# Allegro board FMDEMOD-Long.brd
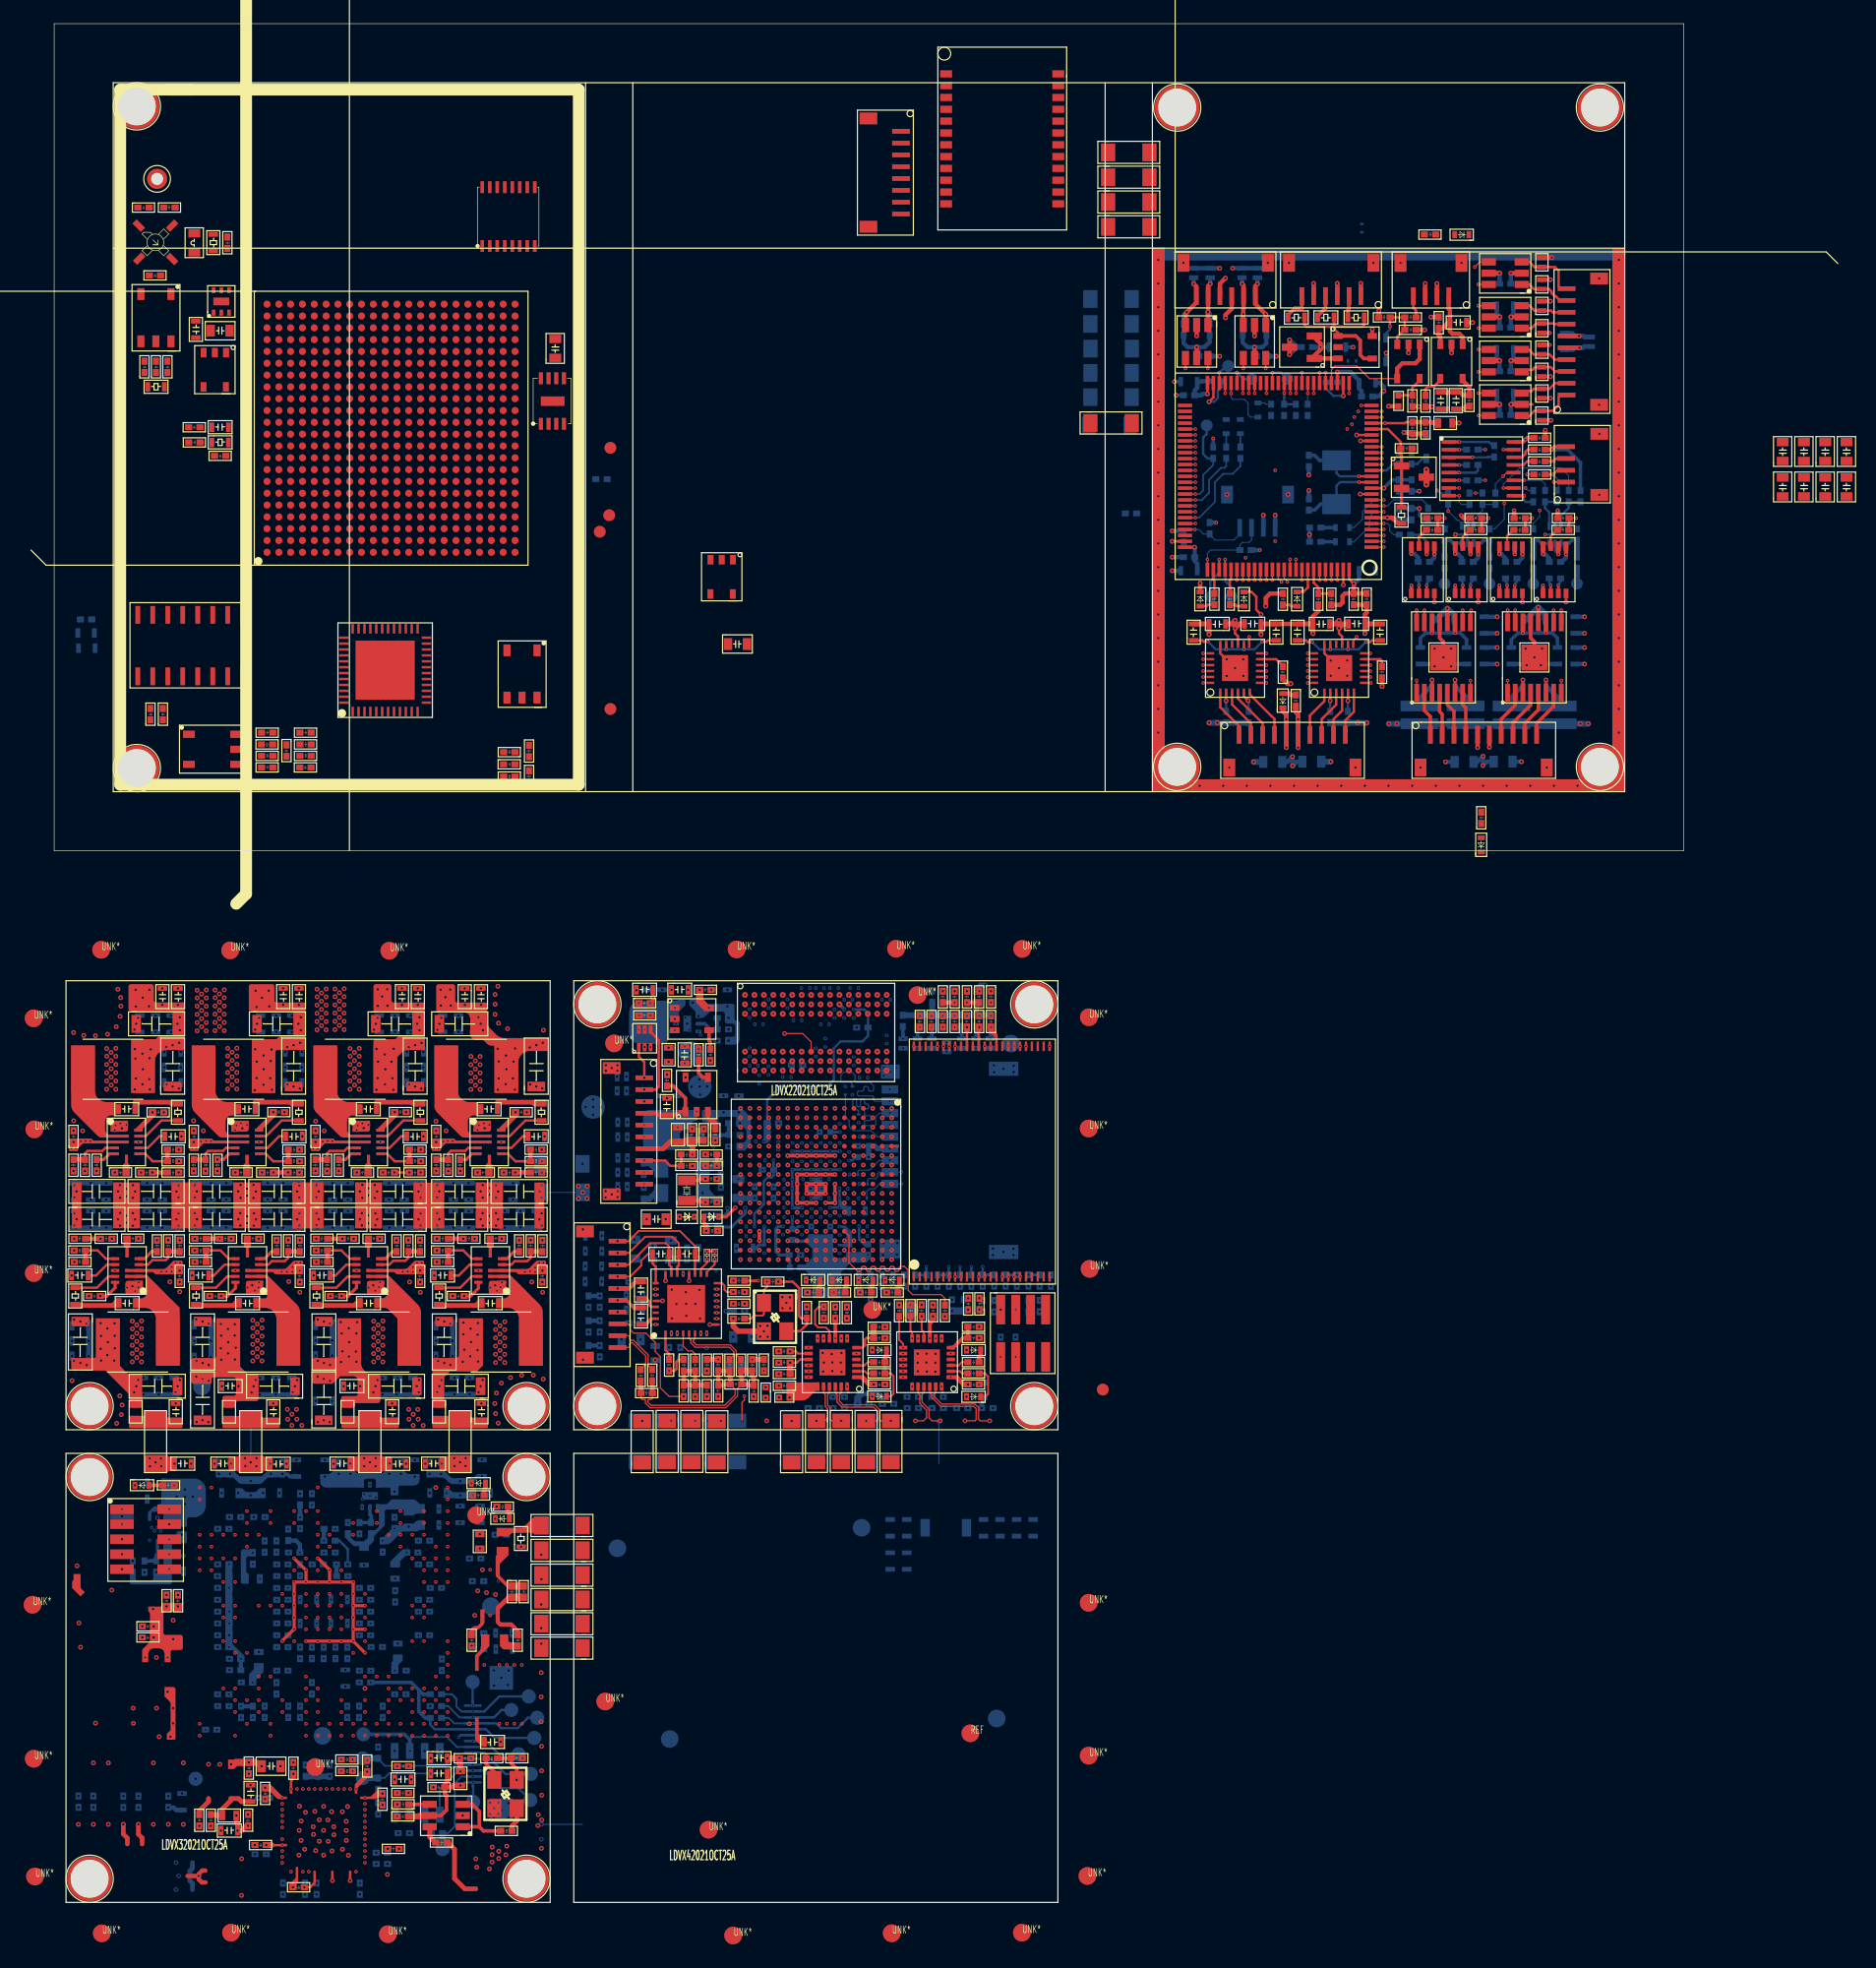
[diagram p0: board, top side]
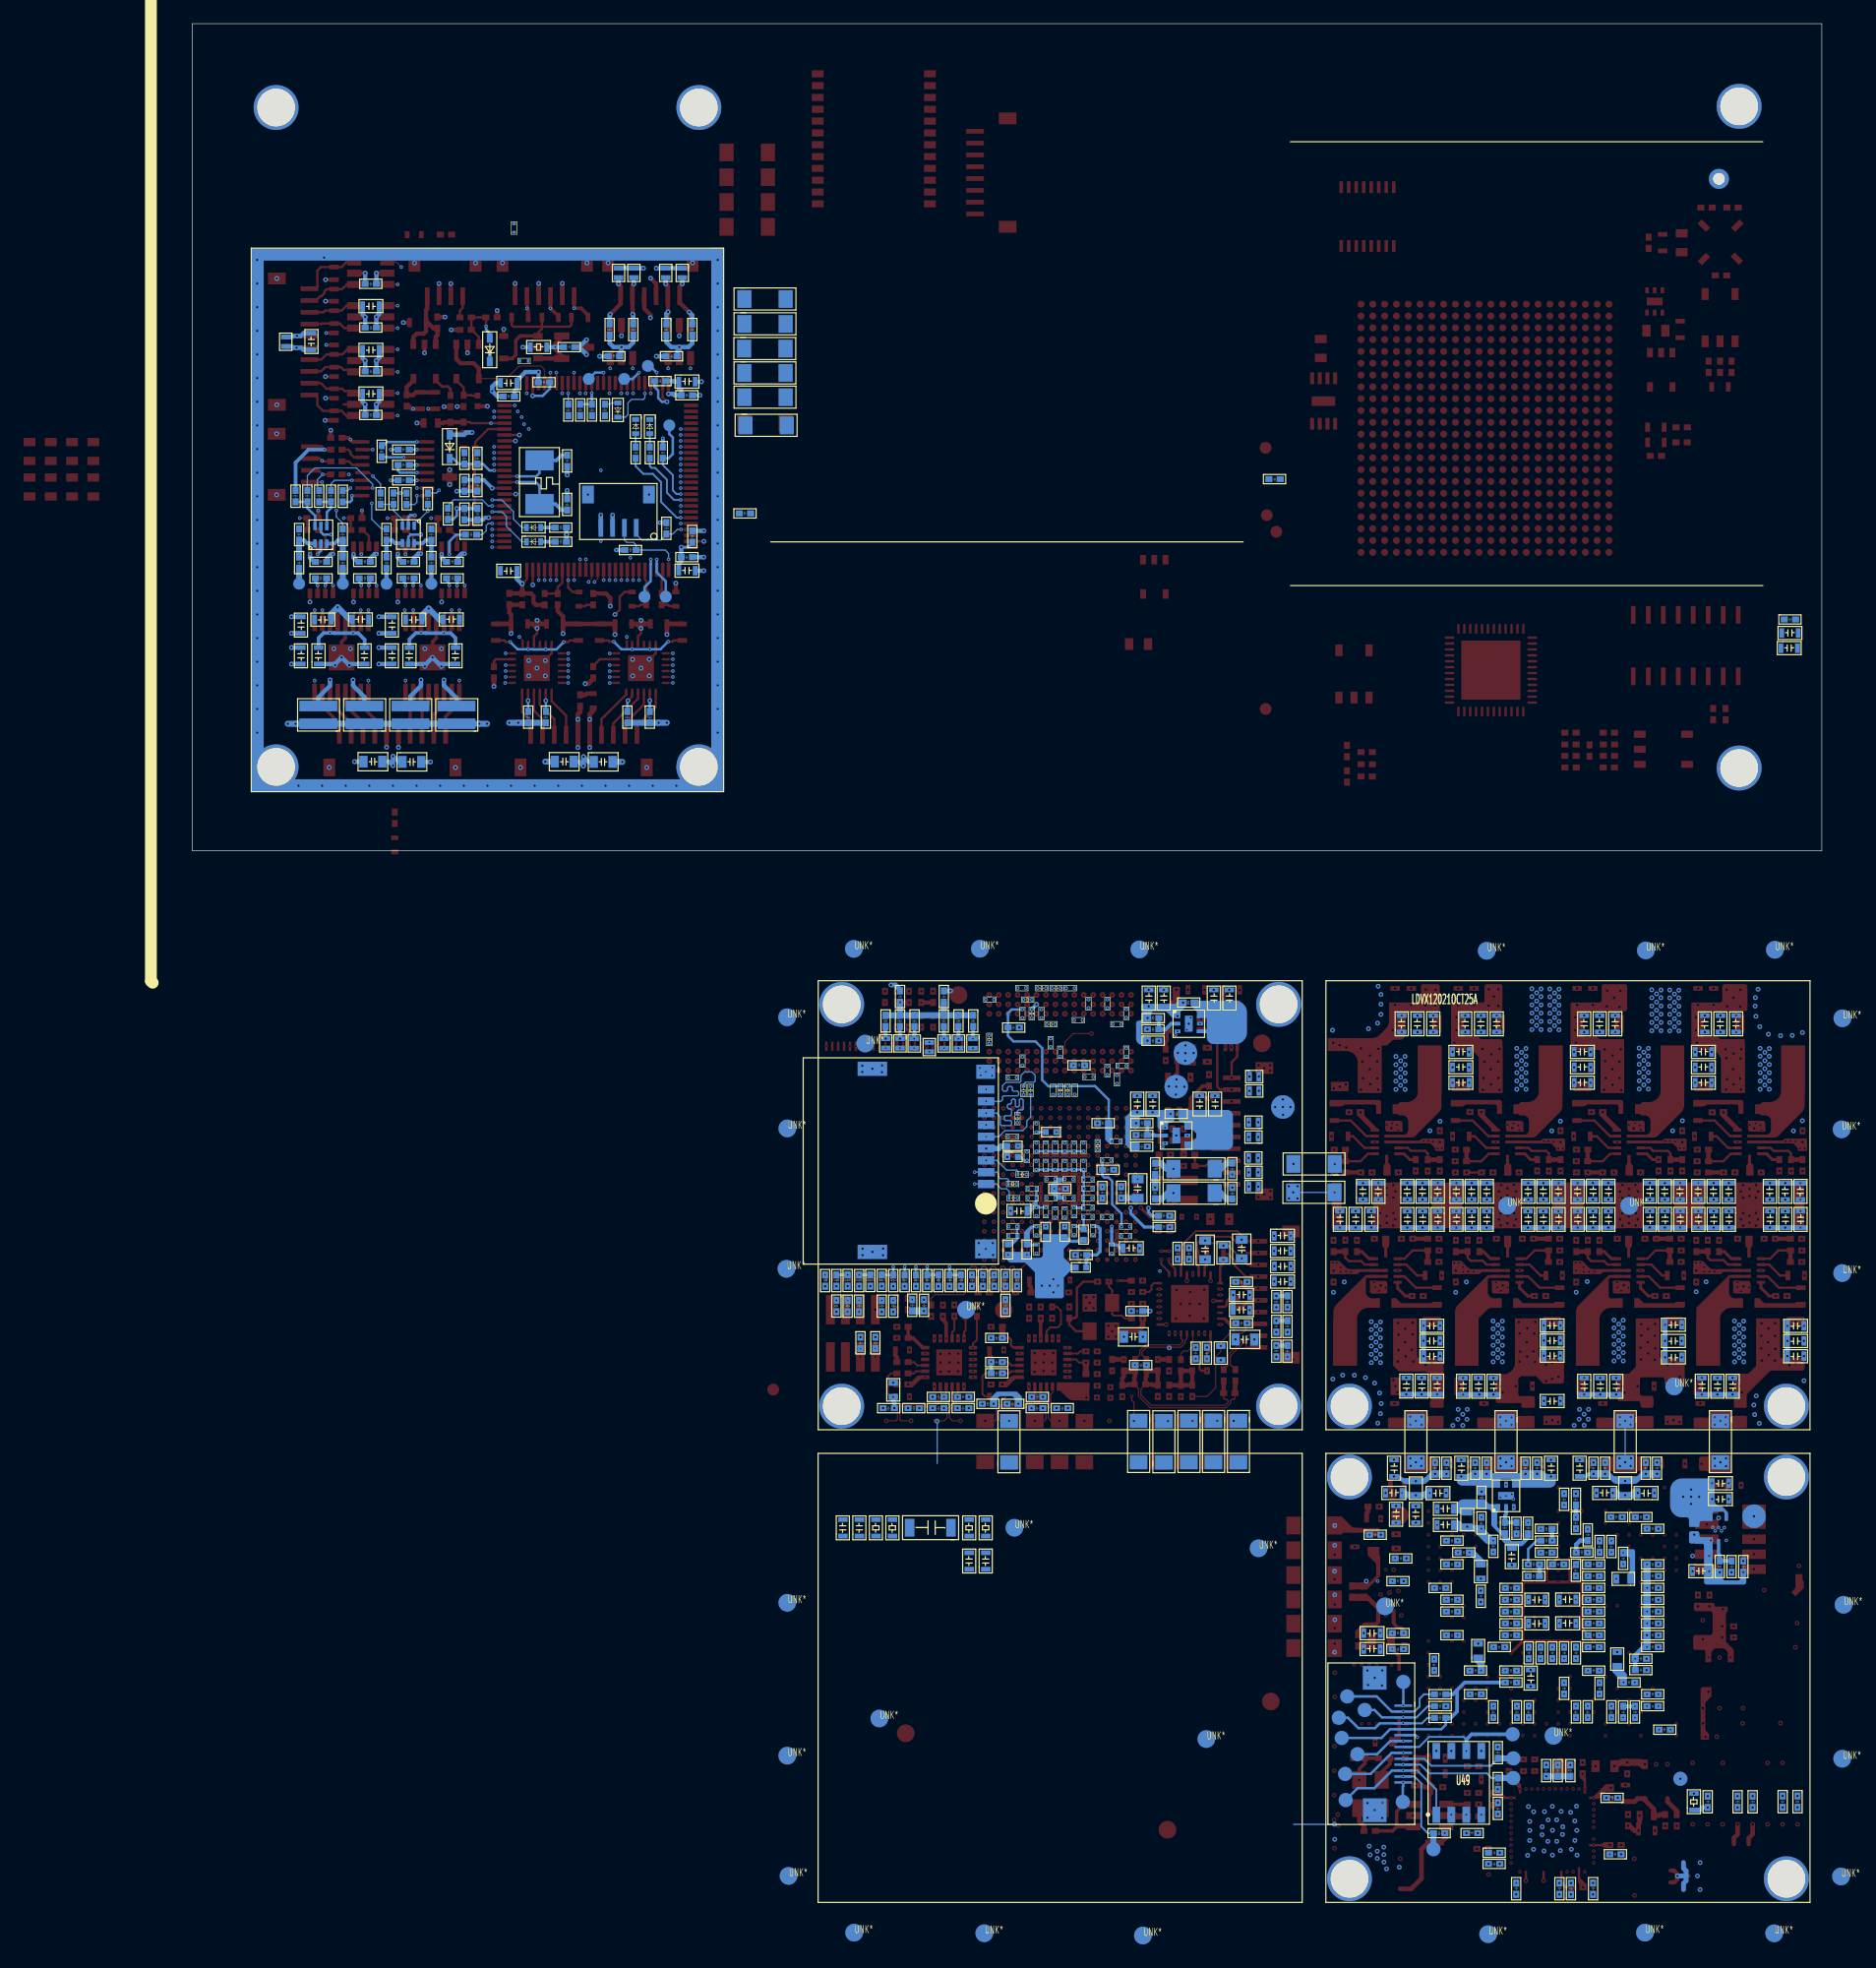
[diagram p1: board, bottom side, seen from below]

Outline 138 x 70 mm; copper layers: TOP, GND-L2, SIGNAL-L3, SIGNAL-L4, GND-L5, PWR-L6, SIGNAL-L7, SIGNAL-L8, GND-L9, BOTTOM. Coordinates in mm from the lower left corner of the outline.
Outline path: 0,70 0,0 138,0 138,70 0,70

## Design rules (mm)
constraint set DEFAULT: min track width 0.1
net group ARM_ONOFF: nets ARM_ONOFF N7767499
net group BOOT_MODE0: nets BOOT_MODE0 N8015227
net group BOOT_MODE1: nets BOOT_MODE1 N8015335
net group CLK2FPGA: nets CLK2FPGA N7587007
net group CLKO+: nets CLK_AD+ CLKO+
net group CLKO-: nets CLK_AD- CLKO-
net group CPU_UART3_RXD: nets CPU_UART3_RXD MCU_UART1_TXD
net group CPU_UART3_TXD: nets CPU_UART3_TXD MCU_UART1_RXD
net group CPU_UART4_TXD: nets CPU_UART4_TXD CPU_UART4_TXD_X
net group DATA0: nets DATA0 N7454523
net group E1R+: nets E1R+ ENET1_RXP
net group E1R-: nets E1R- ENET1_RXN
net group E1T+: nets E1T+ ENET1_TXP
net group E1T-: nets E1T- ENET1_TXN
net group E2R+: nets E2R+ ENET2_RXP
net group E2R-: nets E2R- ENET2_RXN
net group E2T+: nets E2T+ ENET2_TXP
net group E2T-: nets E2T- ENET2_TXN
net group ENET1_LED1: nets ENET1_LED1 N4216158
net group ENET1_LED2: nets ENET1_LED2 N4216162
net group ENET1_RX: nets ENET1_RX+ ENET1_RX-
net group ENET1_TX: nets ENET1_TX+ ENET1_TX-
net group ENET1_TX_CLK: nets ENET1_TX_CLK N4219956
net group ENET2_LED1: nets ENET2_LED1 N4226540
net group ENET2_LED2: nets ENET2_LED2 N4226544
net group ENET2_RX: nets ENET2_RX+ ENET2_RX-
net group ENET2_TX: nets ENET2_TX+ ENET2_TX-
net group ENET2_TX_CLK: nets ENET2_TX_CLK N4226762
net group FPGA_SPI2_CS: nets FPGA_SPI2_CS MCU_SPI2_NSS
net group FPGA_SPI2_MISO: nets FPGA_SPI2_MISO MCU_SPI2_MISO
net group FPGA_SPI2_MOSI: nets FPGA_SPI2_MOSI MCU_SPI2_MOSI
net group FPGA_SPI2_SCLK: nets FPGA_SPI2_SCLK MCU_SPI2_SCK
net group HP_L: nets HP_L N6357472
net group HP_R: nets HP_R N6357497
net group LED1: nets LED1 N7455499
net group LED2: nets LED2 N7455557
net group LED3: nets LED3 N7921484
net group M1_I_ADC: nets M1_I_ADC N10404
net group M2_I_ADC: nets M2_I_ADC N11136
net group M3_I_ADC: nets M3_I_ADC N28759
net group M4_I_ADC: nets M4_I_ADC N28731
net group MCU_LED1: nets MCU_LED1 N7936310
net group MCU_LED2: nets MCU_LED2 N7936621
net group MCU_LED3: nets MCU_LED3 N7936920
net group MCU_LED4: nets MCU_LED4 N7937230
net group MCU_RST_CPU: nets MCU_RST_CPU NRST_CPU
net group MG8: nets M4_PWM+ M4_PWM-
net group MG9: nets M3_PWM+ M3_PWM-
net group MG10: nets M2_PWM+ M2_PWM-
net group MG11: nets M1_PWM+ M1_PWM-
net group N07800: nets N07800 N07815
net group N08892: nets N08892 N08904
net group N28299: nets N28299 N28303
net group N28307: nets N28307 N28311
net group N7119824: nets N7119824 N7119964
net group N7119928: nets N7119928 N7120000
net group N7578107: nets N7578107 N7578654
net group N7581076: nets N7581076 N7581207
net group N7581083: nets N7581083 N7581229
net group N7586496: nets N7586496 N7586806
net group N7587454: nets N7587454 N7587591
net group N8184327: nets N8184327 N8184405
net group N8185005: nets N8185005 N8185070
net group N8189530: nets N8189530 N8189538
net group N8193321: nets N8193321 N8193329
net group N8193859: nets N8193859 N8193943
net group N8195603: nets N8195603 N8195611
net group N8196141: nets N8196141 N8196225
net group N8196950: nets N8196950 N8196956
net group N8197004: nets N8197004 N8197018
net group N8197074: nets N8197074 N8197078
net group N8197176: nets N8197176 N8197194
net group N8197218: nets N8197218 N8197222
net group N8197320: nets N8197320 N8197338
net group N8197362: nets N8197362 N8197366
net group N8197464: nets N8197464 N8197482
net group PMIC_ON_REQ: nets N8189916 PMIC_ON_REQ
net group POWER_GOOD: nets N8190068 POWER_GOOD
net group RSSI: nets N7580738 RSSI
net group SDQS0N: nets SDQS0N SDQS0P
net group SDQS1N: nets SDQS1N SDQS1P
net group SPK_LN: nets SPK_LN SPK_LP
net group SPK_RN: nets SPK_RN SPK_RP
net group USB_OTG1_D: nets USB_OTG1_DN USB_OTG1_DP
net group USB_OTG2_D: nets USB_OTG2_DN USB_OTG2_DP
net group XTALI: nets XTALI XTALO
net group 232_TXD: nets 232_TXD N7132401 N7303091 N7304159
net group ADC_DATA_BUS: nets AD3
net group AIN+: nets AIN+ AIN- N7581273 N7581277 N7581373 N7581387 VCOM
net group AUDIO_OUT: nets AUDIO_OUT MIC1_IN MIC1P MIC2N MIC2N_IN MIC2N_IN2 MIC2P MIC2P_IN MIC2P_IN2 MICBIAS N4966591 N4966598 N4966923 N4971120 N7424382 N7424390 N7424630 N7424654 N7424662
net group CK0N: nets CK0N
net group CPU_RST_MCU: nets CPU_RST_MCU FPGA_RST_MCU NRST_MCU
net group CPU_UART2_RXD: nets CPU_UART2_RXD ECSPI3_SCLK FPGA_SPI_SCLK
net group CPU_UART2_TXD: nets CPU_UART2_TXD ECSPI3_CS0 FPGA_SPI_CS
net group CPU_UART4_RXD: nets CPU_UART4_RXD CPU_UART4_RXD_X FPGA_UART_TXD
net group ECSPI3_MISO: nets ECSPI3_MISO FPGA_SPI_MISO N7356015
net group ECSPI3_MOSI: nets ECSPI3_MOSI FPGA_SPI_MOSI N7355971
net group ENC+: nets ENC+ ENC- N7587990 N7588005 N7588017
net group LASER_TXD: nets LASER_TXD N7132405 N7132819 N7303177
net group LCD_DATA5: nets LCD_DATA5 LCD_DATA7 N7060523
net group LCD_DATA11: nets LCD_DATA6 LCD_DATA11 N7060478
net group MCU_UART3_RXD: nets MCU_UART3_RXD N7120840 N7301618
net group MCU_UART3_TXD: nets MCU_UART3_TXD N7120004 N7120715
net group MCU_UART4_RXD: nets MCU_UART4_RXD N7121019 N7301693
net group MCU_UART4_TXD: nets MCU_UART4_TXD N7121024 N7301681
net group MG4: nets SAI2_BCLK SAI2_MCLK SAI2_RXD SAI2_SYNC SAI2_TXD
net group MG5: nets ENET1_CRS_DV ENET1_RXD0 ENET1_RXD1 ENET1_RXER ENET1_TXD0 ENET1_TXD1 ENET1_TXEN
net group MG6: nets ENET2_CRS_DV ENET2_RXD0 ENET2_RXD1 ENET2_RXER ENET2_TXD0 ENET2_TXD1 ENET2_TXEN
net group MG_DATA0-7: nets D0 D1 D2 D3 D4 D5 D6 D7 DQM0
net group MG_DATA8-15: nets D8 D9 D10 D11 D12 D13 D14 D15 DQM1
net group MG_I2S: nets I2S_BCK I2S_DATA I2S_LRCK I2S_SCK
net group MG_SDRAM_ADDRESS: nets BA0 BA1 BA2 CS0 CS1
net group N4254817: nets N4254817 N4254839 N4254858 N4255061 N4255753
net group N7578935: nets N7578935 N7579108 N7579398
net group N7579488: nets N7579488 N7579492 N7579615 N7579629
net group NG1: nets A0 A1 A2 A3 A4 A5 A6 A7 A8 A9 A10 A11 A12 A13 A14 A15
net group PHY_UART_RX1: nets N7132397 N7303129 N7304177 PHY_UART_RX1
net group PT100-1: nets N57288 PT100-1 PT100-2 PT100-3
net group SD1_CMD: nets SD1_CMD
net group SD1_DATA0: nets SD1_DATA0
net group SD1_DATA1: nets SD1_DATA1
net group SD1_DATA2: nets SD1_DATA2
net group SD1_DATA3: nets SD1_DATA3
net group TTL_TXD: nets N7132409 N7132815 N7303150 TTL_TXD

## Placement (name value [footprint] x y rotation side)
A1  -  [ERA-2SM]  8.57 51.49 315 top
C1  10uF  [C0603]  49.2 -12.17 0 top
C2  10uF  [C0603]  52.17 -12.17 0 top
C3  0.1uF  [C0402]  55.64 -11.52 180 top
C4  0.1uF/25V  [C0603]  8.76 -11.55 270 top
C5  0.1uF/25V  [C0603]  10.08 -11.55 270 top
C6  0.1uF/25V  [C0603]  18.99 -11.55 270 top
C7  0.1uF/25V  [C0603]  20.32 -11.55 270 top
C8  0.1uF/25V  [C0603]  29.05 -11.55 270 top
C9  0.1uF/25V  [C0603]  30.39 -11.55 270 top
C10  0.1uF/25V  [C0603]  34.36 -11.55 270 top
C11  0.1uF/25V  [C0603]  35.73 -11.55 270 top
C12  0.1uF  [C0402]  49.51 -13.14 0 top
C13  0.1uF  [C0402]  50.5 -13.68 180 top
C14  0.1uF  [C0402]  77.05 -13.96 270 top
C15  0.1uF  [C0402]  78.08 -13.96 270 top
C16  0.1uF  [C0402]  79.08 -13.96 270 top
C17  22uF/25V  [C1206]  7.09 -15.43 0 top
C18  22uF/25V  [C1206]  17.33 -15.43 0 top
C19  22uF/25V  [C1206]  27.38 -15.43 0 top
C20  22uF/25V  [C1206]  32.77 -15.43 0 top
C21  10uF  [C0603]  53.8 -18.07 90 top
C22  0.01uF  [C0402]  55.82 -17.76 90 top
C23  22uF/25V  [C1206]  10.82 -19.8 90 top
C24  22uF/25V  [C1206]  21.06 -19.8 90 top
C25  22uF/25V  [C1206]  31.36 -19.8 90 top
C26  22uF/25V  [C1206]  41.62 -19.8 90 top
C27  10uF  [C0603]  52.29 -22.45 90 top
C28  0.1uF  [C0603]  5.34 -22.27 0 top
C29  0.1uF  [C0603]  15.52 -22.27 0 top
C30  0.1uF  [C0603]  25.8 -22.27 0 top
C31  0.1uF  [C0603]  36.03 -22.27 0 top
C32  1uF/10V  [C0402]  19.52 -21.87 180 top
C33  1uF/10V  [C0402]  29.81 -21.87 180 top
C34  1uF/10V  [C0402]  40.03 -21.88 180 top
C35  1uF/10V  [C0402]  9.3 -21.89 180 top
C36  0.1uF  [C0402]  53.77 -23.53 270 top
C37  10uF  [C0402]  54.76 -23.53 270 top
C38  100pF/25V  [C0603]  10.88 -23.77 180 top
C39  150pF/25V  [C0603]  21.11 -23.77 180 top
C40  100pF/25V  [C0603]  31.37 -23.77 180 top
C41  100pF/25V  [C0603]  41.62 -23.77 180 top
C42  0.1uF  [C0402]  1.88 -24.67 90 top
C43  0.1uF  [C0402]  12.07 -24.67 90 top
C44  0.1uF  [C0402]  22.38 -24.67 90 top
C45  0.1uF  [C0402]  32.6 -24.67 90 top
C46  0.1uF  [C0402]  56.13 -26.42 180 top
C47  15nF  [C0402]  5.13 -27.47 0 top
C48  15nF  [C0402]  15.34 -27.47 0 top
C49  15nF  [C0402]  25.62 -27.47 0 top
C50  15nF  [C0402]  35.85 -27.47 0 top
C51  18pF  [C0402]  56.13 -27.52 180 top
C52  22uF/50V  [C1206]  2.04 -29.61 0 top
C53  22uF/50V  [C1206]  10.2 -28.05 180 top
C54  22uF/50V  [C1206]  12.23 -29.61 0 top
C55  22uF/50V  [C1206]  20.43 -28.05 180 top
C56  22uF/50V  [C1206]  22.54 -29.61 0 top
C57  22uF/50V  [C1206]  30.7 -28.05 180 top
C58  22uF/50V  [C1206]  32.76 -29.61 0 top
C59  22uF/50V  [C1206]  40.95 -28.05 180 top
C60  18pF  [C0402]  56.13 -29.48 180 top
C61  22uF/50V  [C1206]  2.04 -31.98 0 top
C62  22uF/50V  [C1206]  10.2 -30.41 180 top
C63  22uF/50V  [C1206]  12.23 -31.98 0 top
C64  22uF/50V  [C1206]  20.43 -30.41 180 top
C65  22uF/50V  [C1206]  22.54 -31.98 0 top
C66  22uF/50V  [C1206]  30.7 -30.41 180 top
C67  22uF/50V  [C1206]  32.76 -31.98 0 top
C68  22uF/50V  [C1206]  40.95 -30.41 180 top
C69  15nF  [C0402]  7.14 -32.58 180 top
C70  15nF  [C0402]  17.33 -32.58 180 top
C71  15nF  [C0402]  27.58 -32.58 180 top
C72  15nF  [C0402]  37.9 -32.58 180 top
C73  15pF/50V  [C0603]  50.58 -34.53 0 top
C74  15pF/50V  [C0603]  52.79 -34.53 0 top
C75  100pF/25V  [C0603]  1.37 -36.34 0 top
C76  150pF/25V  [C0603]  11.58 -36.34 0 top
C77  100pF/25V  [C0603]  21.87 -36.34 0 top
C78  100pF/25V  [C0603]  32.09 -36.34 0 top
C79  0.1uF  [C0402]  10.38 -35.53 270 top
C80  0.1uF  [C0402]  20.55 -35.53 270 top
C81  0.1uF  [C0402]  30.74 -35.53 270 top
C82  0.1uF  [C0402]  41.09 -35.53 270 top
C83  10uF  [C0603]  50.1 -37.97 90 top
C84  1uF/10V  [C0402]  2.94 -37.93 0 top
C85  1uF/10V  [C0402]  13.16 -37.93 0 top
C86  1uF/10V  [C0402]  23.37 -37.93 0 top
C87  1uF/10V  [C0402]  33.74 -37.93 0 top
C88  0.1uF  [C0603]  6.98 -37.88 180 top
C89  0.1uF  [C0603]  17.18 -37.88 180 top
C90  0.1uF  [C0603]  27.42 -37.88 180 top
C91  0.1uF  [C0603]  37.73 -37.88 180 top
C92  0.1uF  [C0402]  78.6 -38.84 90 top
C93  0.1uF  [C0402]  77.65 -38.85 90 top
C94  0.1uF  [C0402]  74.67 -39.41 90 top
C95  18pF  [C0402]  63.48 -38.59 270 top
C96  0.1uF  [C0402]  66.4 -39.58 90 top
C97  10uF  [C0603]  50.1 -40.18 90 top
C98  18pF  [C0402]  57.5 -39.84 0 top
C99  10uF  [C0402]  69.38 -40.54 0 top
C100  10uF  [C0402]  77.36 -40.54 0 top
C101  0.1uF  [C0402]  77.36 -41.48 0 top
C102  0.1uF  [C0402]  69.38 -41.48 0 top
C103  22uF/25V  [C1206]  1.42 -40 270 top
C104  22uF/25V  [C1206]  11.78 -40 270 top
C105  22uF/25V  [C1206]  22.05 -40 270 top
C106  22uF/25V  [C1206]  32.24 -40 270 top
C107  1uF  [C0402]  54.53 -44.03 90 top
C108  100nF  [C0402]  57.44 -44.03 90 top
C109  100nF  [C0402]  58.4 -44.03 90 top
C110  0.1uF  [C0402]  62.33 -44.04 180 top
C111  33pF  [C0402]  58.23 -44.91 180 top
C112  0.1uF  [C0402]  69.38 -45.42 0 top
C113  0.1uF  [C0402]  77.36 -45.42 0 top
C114  0.1uF  [C0402]  62.33 -45.03 180 top
C115  22uF/25V  [C1206]  10.3 -44.53 180 top
C116  0.1uF/25V  [C0603]  14.1 -45.71 0 top
C117  22uF/25V  [C1206]  20.24 -44.53 180 top
C118  0.1uF/25V  [C0603]  24.41 -45.71 0 top
C119  22uF/25V  [C1206]  30.56 -44.53 180 top
C120  22uF/25V  [C1206]  35.96 -44.53 180 top
C121  220pF  [C0402]  55.02 -45.22 270 top
C122  33pF  [C0402]  55.98 -45.22 270 top
C123  33pF  [C0402]  59.49 -46.21 90 top
C124  22uF/25V  [C1206]  13.35 -48.05 90 top
C125  22uF/25V  [C1206]  23.62 -48.05 90 top
C126  0.1uF/25V  [C0603]  9.89 -46.68 270 top
C127  0.1uF/25V  [C0603]  18.15 -46.68 270 top
C128  0.1uF/25V  [C0603]  28.22 -46.68 270 top
C129  0.1uF/25V  [C0603]  35.77 -46.68 270 top
C130  0.1uF  [C0603]  10.09 -52.28 0 top
C131  0.1uF  [C0603]  13.48 -52.28 0 top
C132  0.1uF  [C0603]  19.77 -51.48 180 top
C133  0.1uF  [C0603]  23.57 -52.28 0 top
C134  0.1uF  [C0603]  29.9 -51.48 180 top
C135  0.1uF  [C0603]  31.33 -52.28 0 top
C136  0.1uF  [C0402]  96.6 24.6 180 bottom
C137  10uF  [C0603]  96.9 23.3 180 bottom
C138  0.1uF  [C0402]  96.6 38.3 180 bottom
C139  1uF  [C0603]  117 38.9 270 top
C140  10uF  [C0805]  43.05 41.51 90 top
C141  0.1uF  [C0402]  115.27 35.3 90 top
C142  0.1uF  [C0402]  116.38 35.3 90 top
C143  0.1uF  [C0402]  7.07 54.19 0 top
C144  0.1uF  [C0402]  40.01 -63.19 90 top
C145  0.1uF  [C0402]  9.27 -62.98 270 top
C146  0.1uF  [C0402]  10.24 -62.98 270 top
C147  0.1uF  [C0402]  7.45 -65.89 0 top
C148  10uF  [C0805]  15.05 44.63 180 top
C149  0.1uF  [C0402]  8.04 48.44 0 top
C150  0.1uF  [C0402]  7.45 -66.83 0 top
C151  0.1uF  [C0402]  35.6 -67.3 90 top
C152  10uF  [C0805]  56.86 16.87 0 top
C153  0.1uF  [C0402]  110.9 21.79 270 top
C154  0.1uF  [C0402]  115.34 44.33 180 top
C155  1uF  [C0603]  118.1 44.3 0 top
C156  10uF  [C0603]  96.9 39.3 180 bottom
C157  0.01uF  [C0402]  116.38 37.57 90 top
C158  0.1uF  [C0402]  97.9 40 0 bottom
C159  1uF  [C0603]  118.3 38.9 270 top
C160  0.1uF  [C0402]  117.5 44.2 90 top
C161  10uF  [C0603]  110.4 40 0 bottom
C162  0.1uF  [C0402]  119.6 38.6 270 top
C163  0.1uF  [C0402]  114.77 38.56 270 top
C164  0.01uF  [C0402]  11.37 35.59 0 top
C165  10uF  [C0603]  13.25 35.44 0 top
C166  2.2uF  [C0603]  119.2 15.7 90 bottom
C167  2.2uF  [C0603]  115.3 15.7 90 bottom
C168  0.1uF  [C0402]  110.7 38.7 0 bottom
C169  2.2uF  [C0603]  123 15.7 90 bottom
C170  2.2uF  [C0603]  126.9 15.7 90 bottom
C171  0.01uF  [C0402]  7.89 40.47 90 top
C172  0.01uF  [C0402]  8.86 40.47 90 top
C173  0.01uF  [C0402]  9.84 40.47 90 top
C174  10uF  [C0603]  108.1 19.6 180 top
C175  0.01uF  [C0402]  12.36 34.81 180 top
C176  0.1uF  [C0402]  113.6 28 90 bottom
C177  0.1uF  [C0603]  109.5 18.8 0 top
C178  0.1uF  [C0603]  121.5 19.9 270 bottom
C179  4.7uF  [C0603]  116.86 19.17 180 bottom
C180  4.7uF  [C0603]  124.56 19.17 180 bottom
C181  0.1uF  [C0603]  129.2 19.9 270 bottom
C184  0.1uF  [C0402]  13.56 33.17 0 top
C185  2.2uF  [C0603]  105.7 17.7 90 top
C186  10uF  [C0603]  37.92 -75.01 180 top
C187  4.7uF  [C0603]  121.5 17.3 270 bottom
C188  4.7uF  [C0603]  129.2 17.3 270 bottom
C189  10uF  [C0603]  110.4 24.1 0 bottom
C190  2.2uF  [C0603]  112.7 17.7 90 top
C191  10uF  [C0603]  31.79 -77.2 0 top
C192  0.1uF  [C0402]  35.3 -76.55 180 top
C193  0.1uF  [C0402]  39.67 -76.55 180 top
C194  0.1uF  [C0603]  118.44 19.97 0 bottom
C196  0.1uF  [C0603]  126.14 19.97 0 bottom
C198  0.1uF  [C0402]  26.26 -76.97 270 top
C199  0.1uF  [C0402]  29.05 -77.72 0 top
C200  10uF  [C0805]  19.36 -76.85 180 top
C201  0.1uF  [C0402]  16.73 -78.12 90 top
C202  0.1uF  [C0402]  20.01 -77.15 270 top
C203  0.1uF  [C0402]  114.1 31.4 270 bottom
C204  10uF  [C0603]  31.79 -78.5 0 top
C205  10uF  [C0603]  28.74 -79 0 top
C206  0.1uF  [C0402]  32.1 -79.5 0 top
C207  10uF  [C0603]  16.23 -78.97 270 top
C208  0.1uF  [C0402]  18.11 -80.27 90 top
C209  0.1uF  [C0402]  28.05 -80.76 90 top
C210  0.1uF  [C0402]  29.04 -81.97 0 top
C211  0.01uF  [C0402]  12.54 -82.53 90 top
C212  0.1uF  [C0402]  13.51 -82.53 90 top
C213  0.1uF  [C0402]  16.17 -81.55 270 top
C214  10uF  [C0603]  14.03 -83.33 0 top
C215  0.01uF  [C0402]  8.4 11.07 90 top
C216  0.01uF  [C0402]  9.45 11.07 90 top
C217  0.1uF  [C0402]  16.98 -84.39 0 top
C218  0.1uF  [C0402]  29.22 -84.22 180 top
C219  1uF  [C0402]  18.52 10.24 180 top
C220  8.2pF  [C0402]  21.77 10.24 180 top
C221  0.1uF  [C0402]  38.04 7.07 0 top
C222  8.2pF  [C0402]  19.42 8.97 270 top
C242  2.2uF  [C0402]  20.21 -87.97 0 top
C243  1uF  [C0402]  18.52 7.3 180 top
C244  8.2pF  [C0402]  20.78 6.8 0 top
C245  0.22uF  [C0201]  68.05 -11.78 180 bottom
C246  0.22uF  [C0201]  63.93 -11.78 180 bottom
C247  0.1uF  [C0402]  77.81 -12.83 90 bottom
C248  10uF  [C0402]  74.1 -12.83 90 bottom
C249  10uF  [C0603]  57.4 -11.67 270 bottom
C250  10uF  [C0603]  56.14 -11.67 270 bottom
C251  10uF  [C0603]  51.89 -11.67 270 bottom
C252  10uF  [C0603]  50.58 -11.67 270 bottom
C253  0.22uF  [C0201]  70.15 -12.45 0 bottom
C254  0.22uF  [C0201]  62.25 -12.65 270 bottom
C255  0.22uF  [C0201]  60.65 -12.65 270 bottom
C256  0.22uF  [C0201]  59.05 -13.46 270 bottom
C257  0.22uF  [C0201]  67.85 -13.49 270 bottom
C258  0.22uF  [C0201]  66.23 -13.49 270 bottom
C259  0.22uF  [C0201]  63.26 -14.49 180 bottom
C260  0.1uF/25V  [C0603]  35.17 -15.44 90 bottom
C261  0.1uF/25V  [C0603]  33.84 -15.44 90 bottom
C262  0.1uF/25V  [C0603]  32.5 -15.44 90 bottom
C263  0.1uF/25V  [C0603]  29.79 -15.44 90 bottom
C264  0.1uF/25V  [C0603]  28.46 -15.44 90 bottom
C265  0.1uF/25V  [C0603]  27.12 -15.44 90 bottom
C266  0.1uF/25V  [C0603]  19.72 -15.44 90 bottom
C267  0.1uF/25V  [C0603]  18.4 -15.44 90 bottom
C268  0.1uF/25V  [C0603]  17.09 -15.44 90 bottom
C269  0.1uF/25V  [C0603]  9.5 -15.44 90 bottom
C270  0.1uF/25V  [C0603]  8.18 -15.44 90 bottom
C271  0.1uF/25V  [C0603]  6.85 -15.44 90 bottom
C272  2.2pF  [C0201]  59.99 -14.83 180 bottom
C273  10uF  [C0402]  68.92 -15.21 180 bottom
C274  0.22uF  [C0201]  65.15 -16.55 90 bottom
C275  0.1uF/25V  [C0603]  31.36 -17.43 180 bottom
C276  0.1uF/25V  [C0603]  21.07 -17.43 180 bottom
C277  0.1uF/25V  [C0603]  10.83 -17.43 180 bottom
C278  0.22uF  [C0201]  58.75 -17.35 90 bottom
C279  0.22uF  [C0201]  64.35 -17.36 90 bottom
C280  0.22uF  [C0201]  67.55 -18.1 90 bottom
C281  2.2pF  [C0402]  62.41 -17.91 0 bottom
C282  0.22uF  [C0201]  58.95 -18.05 0 bottom
C283  0.1uF/25V  [C0603]  31.36 -18.73 180 bottom
C284  0.1uF/25V  [C0603]  21.07 -18.73 180 bottom
C285  0.1uF/25V  [C0603]  10.83 -18.73 180 bottom
C286  0.22uF  [C0201]  60.65 -18.31 270 bottom